# Allegro board AM335x_ICE_3H0013_PCB_REV_2_1A.brd (continued)
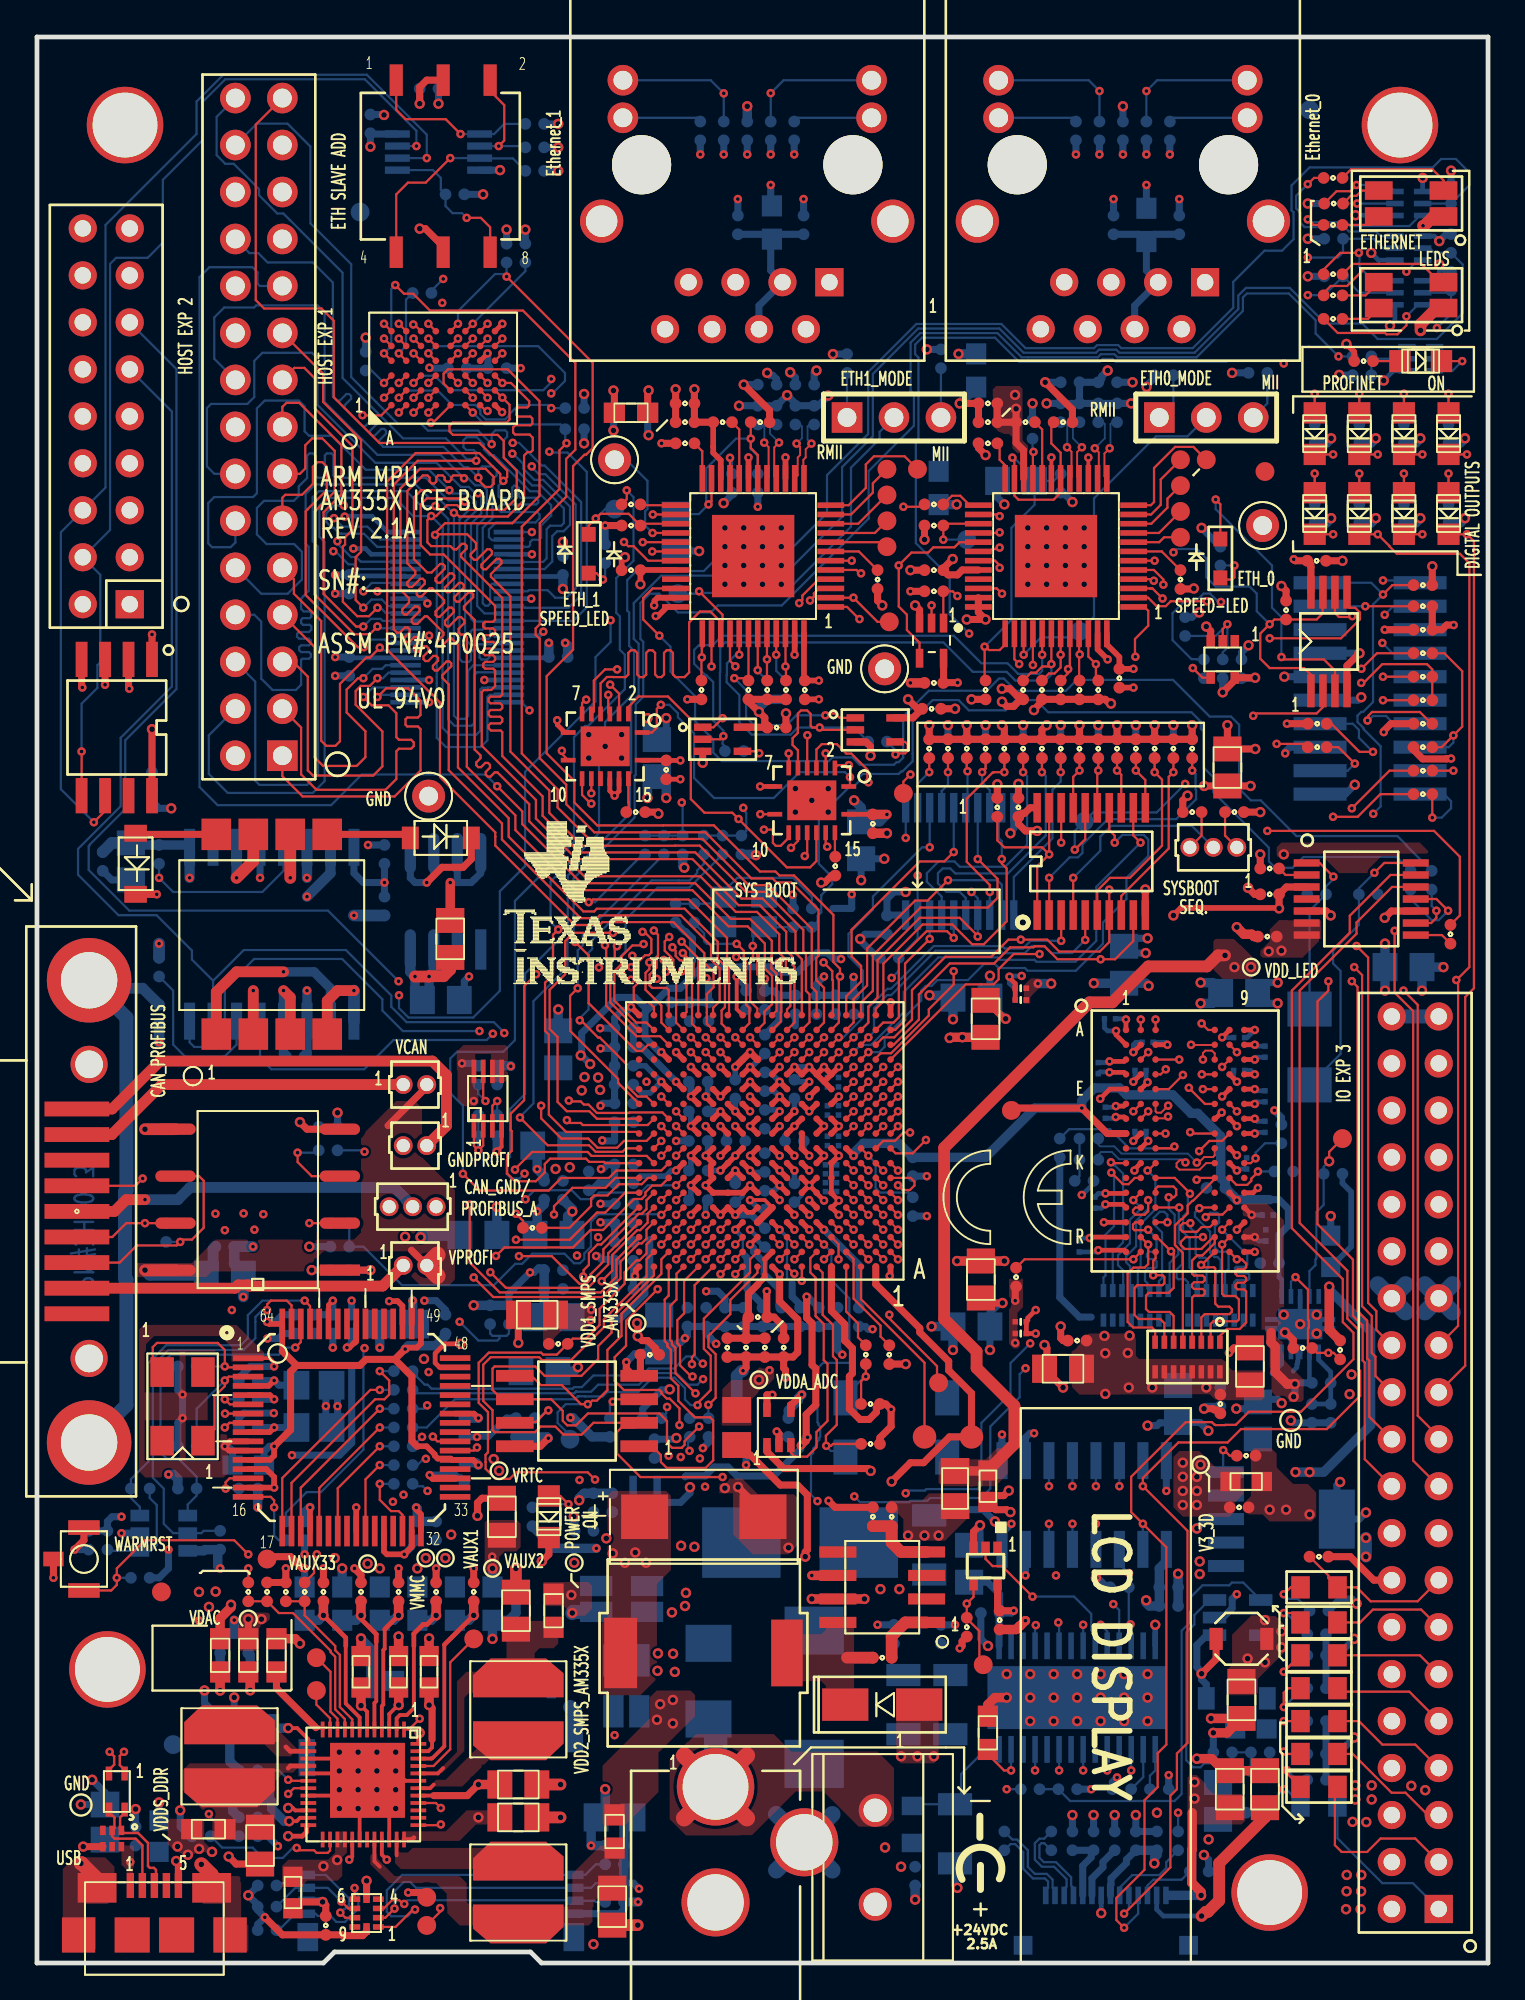
[diagram p0: board, top side]
## Routing (per net, layer and track width the routed paths; a pad name or vN(x,y) marks a point on that pad's centre or on a via; arc(x,y) is an arc through that point) (continued)
  LYR4 w0.127: v1(18.41,68.45) 19.54,68.45 20.69,69.61 20.69,81.49 21.3,82.11 v1(21.3,83.29)
  BOTTOM w0.121: v1(18.41,68.45) 18.53,68.57 U26.2
GPMC_A1: length 37.5
  TOP w0.121: v1(17.65,68.45) 18.1,68 19.01,68 19.44,67.58 19.44,66.28 19.58,66.14 20.24,66.14 20.38,66 20.38,65.8 20.24,65.66 19.58,65.66 19.44,65.52 19.44,64.02 18.86,63.44 15.11,63.44 14.29,64.27 14.29,66.8 J4.3 ; v1(21.17,83.83) U1.D1
  LYR4 w0.127: v1(21.17,83.83) 20.88,83.55 20.88,82.23 20.31,81.65 20.31,81.46 20.31,69.99 19.29,68.98 18.18,68.98 v1(17.65,68.45)
  BOTTOM w0.121: v1(17.65,68.45) 18.17,68.97 U26.3
GPMC_A2: length 36.8
  TOP w0.121: J4.5 13.85,70.36 14.65,69.56 14.65,64.49 14.93,64.21 18.19,64.21 18.68,64.7 18.68,66.59 17.24,68.03 17.24,68.78 17.51,69.05 18,69.05 v1(18.41,69.47) ; v1(20.37,83.83) U1.C1
  LYR4 w0.127: v1(20.37,83.83) 20.37,82.71 19.92,82.26 19.92,71.43 19.72,71.23 19.18,71.23 19.03,71.08 19.03,70.87 19.18,70.72 19.79,70.72 19.9,70.61 19.9,70.2 19.78,70.08 18.54,70.08 18.41,69.96 v1(18.41,69.47)
  BOTTOM w0.121: U26.5 19.02,69.77 18.71,69.47 v1(18.41,69.47)
GPMC_A3: length 36.2
  TOP w0.121: U1.A1 18.62,83.68 17.62,83.68 v1(17.61,83.69) ; J4.7 15.01,71.16 15.01,65.19 15.48,64.73 17.29,64.73 17.76,65.2 17.76,66.6 16.75,67.61 16.75,68.86 17.36,69.47 v1(17.65,69.47)
  LYR4 w0.127: v1(17.61,83.69) 17.4,83.48 17.4,77.35 16.95,76.9 16.94,76.9 16.7,76.65 16.7,76.65 16.61,76.56 16.61,70.51 v1(17.65,69.47)
  BOTTOM w0.121: v1(17.65,69.47) 18.16,69.98 18.67,69.98 18.86,70.17 U26.6
GPMC_A4: length 37.1
  TOP w0.121: v1(19.57,83.83) U1.B1 ; J4.9 13.9,74.81 13.9,74.04 15.37,72.56 15.37,66.09 15.65,65.81 16.14,65.81 16.39,66.06 16.39,69.16 17.81,70.59 18.01,70.59 v1(18.54,71.12)
  LYR4 w0.127: v1(19.57,83.83) 19.54,83.81 19.54,71.97 19.35,71.78 17.35,71.78 17.13,71.55 17.13,70.65 17.43,70.35 18.26,70.35 18.52,70.6 18.52,71.1 v1(18.54,71.12)
  BOTTOM w0.121: v1(18.54,71.12) 18.69,70.97 U26.8
GPMC_A5: length 37.2
  TOP w0.121: v1(17.68,71.15) 17.35,71.15 14.53,73.97 14.53,78.49 14.64,78.6 14.64,78.61 15.68,79.65 15.68,80.9 15.43,81.15 15.17,81.15 14.92,80.9 14.92,79.98 14.33,79.39 13.43,79.39 13.27,79.23 J4.11 ; v1(21.17,84.63) U1.D2
  LYR3 w0.127: v1(21.17,84.63) 20.77,84.23 20.77,82.38 18.84,80.46 18.84,75.67 19.72,74.8 19.72,71.08 19.32,70.68 18.14,70.68 v1(17.68,71.15)
  BOTTOM w0.121: v1(17.68,71.15) 18.09,71.56 18.81,71.56 19,71.37 U26.9
GPMC_A6: length 37.6
  TOP w0.121: J4.13 14.22,80.52 14.51,80.81 14.51,82.06 14.88,82.44 15.43,82.44 16.1,81.76 16.1,79.56 15.01,78.46 15.01,74.01 17.17,71.85 18,71.85 v1(18.41,72.26) ; v1(20.37,84.63) U1.C2
  LYR3 w0.127: v1(20.37,84.63) 19.98,84.24 19.98,82.57 18.46,81.05 18.46,75.52 19.22,74.76 19.22,72.15 18.67,71.6 17.32,71.6 17.19,71.74 17.19,72.52 17.39,72.73 17.95,72.73 v1(18.41,72.26)
  BOTTOM w0.121: v1(18.41,72.26) 18.51,72.17 U26.11
GPMC_A7: length 37
  TOP w0.121: v1(18.77,84.63) U1.A2 ; v1(17.65,72.26) 17.26,72.26 15.5,74.02 15.5,78.45 16.47,79.41 16.47,82.08 14.19,84.35 13.49,84.35 13.27,84.14 J4.15
  LYR4 w0.127: v1(18.77,84.63) 18.2,85.2 18.2,85.95 18.39,86.14 19.06,86.14 19.18,86.03 19.18,84.11 19.03,83.95 19.03,73.19 18.64,72.8 18.28,72.8 17.75,72.26 v1(17.65,72.26)
  BOTTOM w0.121: v1(17.65,72.26) 18.07,72.68 18.59,72.68 18.7,72.57 U26.12
GPMC_A8: length 37.7
  TOP w0.121: J4.17 13.92,86.25 14.46,86.25 15.03,85.68 15.03,84.06 17.06,82.02 17.06,77.49 16.67,77.09 16.67,76.7 16.55,76.58 16.55,73.6 17.32,72.82 17.96,72.82 v1(18.41,73.28) ; U1.B5 v1(19.57,87.83)
  LYR3 w0.127: v1(19.57,87.83) 19.98,87.43 20.53,87.43 20.76,87.2 20.76,86.39 20.59,86.22 19.3,86.22 19.18,86.09 19.18,82.85 18.06,81.73 18.06,75.36 18.83,74.59 18.83,73.7 v1(18.41,73.28)
  BOTTOM w0.121: v1(18.41,73.28) 18.58,73.28 18.85,73.01 19.9,73.01 U26.13
GPMC_A9: length 37.3
  TOP w0.121: v1(17.65,73.28) 17.24,73.7 17.24,76.01 17.53,76.31 17.53,82.36 15.48,84.41 15.48,85.93 J4.19 ; U1.A5 v1(18.77,87.83)
  LYR4 w0.127: v1(17.65,73.28) 17.23,73.7 17.23,74.84 17.86,75.47 17.86,83.19 18.03,83.35 18.03,83.87 17.68,84.21 17.18,84.21 16.86,84.53 16.86,86.92 17.32,87.38 18.32,87.38 v1(18.77,87.83)
  BOTTOM w0.121: U26.14 19,73.37 18.65,73.72 18.1,73.72 v1(17.65,73.28)
GPMC_A10: length 20.3
  TOP w0.121: U1.C5 v1(20.37,87.83)
  LYR3 w0.127: v1(18.41,74.17) 18,73.75 17.18,73.75 16.8,74.13 16.8,74.87 17.62,75.68 17.62,82.15 18.32,82.85 18.32,85.86 19.16,86.71 19.16,87.98 19.41,88.23 19.98,88.23 v1(20.37,87.83)
  BOTTOM w0.121: U26.16 18.42,74.17 v1(18.41,74.17)
GPMC_A11: length 20.4
  TOP w0.121: U1.D5 v1(21.17,87.83)
  LYR4 w0.127: v1(21.17,87.83) 20.76,87.43 20.76,86.83 20.57,86.64 18.2,86.64 17.65,86.08 17.65,85.12 18.64,84.12 18.64,75.17 17.65,74.18 v1(17.65,74.17)
  BOTTOM w0.121: U26.17 19.91,74.6 19.79,74.6 19.77,74.62 18.1,74.62 v1(17.65,74.17)
GPMC_A12: length 20.6
  TOP w0.121: U1.B6 v1(19.57,88.63)
  LYR4 w0.127: v1(16.03,76.33) 15.99,76.33 15.64,76.68 15.64,86.67 18.16,89.19 19.02,89.19 v1(19.57,88.63)
  BOTTOM w0.121: U26.19 17.38,75.37 17.13,75.63 16.85,75.63 16.14,76.33 v1(16.03,76.33)
GPMC_A13: length 20
  TOP w0.121: U1.A6 v1(18.77,88.63)
  LYR3 w0.127: v1(16.25,76.88) 17.09,77.71 17.09,84.31 17.24,84.46 17.72,84.46 17.86,84.61 17.86,84.82 17.72,84.97 17.24,84.97 17.09,85.12 17.09,85.33 17.24,85.48 17.72,85.48 17.86,85.63 17.86,85.84 17.72,85.99 17.24,85.99 17.09,86.13 17.09,86.56 18.22,87.7 18.22,88.09 v1(18.77,88.63)
  BOTTOM w0.121: v1(16.25,76.88) 16.25,76.87 16.25,76.75 16.98,76.02 17.26,76.02 17.51,75.77 U26.20
GPMC_A14: length 20.2
  TOP w0.121: U1.C6 20.41,88.59 v1(20.36,88.59)
  LYR3 w0.127: v1(16.6,78.8) 16.6,87.37 18.27,89.04 19.91,89.04 v1(20.36,88.59)
  BOTTOM w0.121: v1(16.6,78.8) 16.06,78.8 15.65,78.39 15.65,77.92 15.96,77.61 16.05,77.61 16.37,77.29 16.46,77.29 16.46,77.28 17.69,77.28 18.4,76.57 U26.22
GPMC_A15: length 20.6
  TOP w0.121: U1.D6 v1(21.17,88.63)
  LYR3 w0.127: v1(16.07,78.12) 15.89,78.3 15.89,87.23 18.08,89.42 20.39,89.42 v1(21.17,88.63)
  BOTTOM w0.121: U26.23 18.57,76.97 17.87,77.66 16.52,77.66 v1(16.07,78.12)
GPMC_AD0: length 113.5
  TOP w0.121: U14.U7 41.79,50.87 41.79,52.38 41.59,52.57 41.59,54.56 41.45,54.71 41.45,55.86 39.39,57.92 38.34,57.92 36.14,60.12 36.14,60.12 35.85,60.42 34.52,60.42 34.52,60.41 29.48,60.41 27.71,62.18 27.71,63.4 25.61,65.5 25.61,73.9 24.55,74.95 24.55,75.1 25.12,75.67 25.12,75.82 25.01,75.93 24.87,75.93 24.3,75.36 24.15,75.36 24.04,75.47 24.04,75.62 24.61,76.18 24.61,76.33 24.5,76.44 24.35,76.44 23.79,75.87 23.64,75.87 23.46,76.05 23.46,76.18 23.75,76.47 23.75,76.77 23.27,77.25 21.57,77.25 v1(21.53,77.22) 21.53,77.31 22.07,77.85 25.71,77.85 27.18,79.32 27.18,84.45 25.46,86.17 22.23,86.17 21.99,85.94 21.99,85.41 U1.E2
  LYR4 w0.127: v1(21.53,77.22) 21.53,76.88 21.93,76.48 24.67,76.48 24.92,76.24 24.92,65.7 23.99,64.77 20.06,64.77 19.17,63.87 19.17,62.93 18.46,62.22 12.81,62.22 11.96,63.07 11.96,64.05 J4.2
  BOTTOM w0.121: U26.47 24.49,68.57 24.36,68.45 24.36,66.11 24,65.75 22.12,65.75 21.62,66.25 21.62,68 21.63,68 21.63,68.34 21.62,68.35 21.62,69.2 21.63,69.2 21.63,69.54 21.62,69.55 21.62,71.6 21.63,71.6 21.63,71.94 21.62,71.95 21.62,77.13 v1(21.53,77.22)
GPMC_AD1: length 113
  TOP w0.121: U14.V7 41.37,54.27 41.03,54.62 41.03,55.77 39.24,57.56 38.1,57.56 35.6,60.05 34.67,60.05 34.67,60.05 29.33,60.05 27.35,62.03 27.35,63.08 25.17,65.26 25.17,66.56 25.08,66.64 24.56,66.64 24.43,66.77 24.43,66.92 24.53,67.03 25.06,67.03 25.17,67.13 25.17,67.28 25.06,67.39 24.53,67.39 24.43,67.49 24.43,67.64 24.53,67.75 25.06,67.75 25.17,67.86 25.17,68.01 25.06,68.11 24.53,68.11 24.43,68.22 24.43,68.37 24.53,68.47 25.06,68.47 25.17,68.58 25.17,73.81 22.94,76.03 22.94,76.18 23.24,76.48 23.24,76.63 23.13,76.73 22.98,76.73 22.69,76.44 22.54,76.44 22.36,76.61 21.32,76.61 21.12,76.82 21.12,78.02 21.32,78.23 v1(21.32,78.24) 21.59,78.24 22.18,78.83 22.72,78.83 22.82,78.73 22.83,78.73 22.99,78.57 25.3,78.57 25.95,79.23 25.95,80.69 25.25,81.39 25.25,82.3 24.92,82.63 22.5,82.63 22.31,82.82 22.31,83.11 22.49,83.29 25.4,83.29 25.56,83.46 25.56,84.25 v1(25.17,84.64) 25.16,84.64 U1.H2
  BOTTOM w0.121: J4.4 9.29,66.38 9.29,64.29 10.32,63.27 14.92,63.27 15.56,63.91 15.56,76.84 15.27,77.12 15.27,78.8 15.7,79.22 19.36,79.22 20.34,78.24 v1(21.32,78.24) 21.95,77.61 21.95,77.39 21.95,77.39 21.95,77.04 21.94,77.03 21.94,66.78 22.31,66.41 23.76,66.41 23.97,66.62 23.97,68.85 24.08,68.95 24.37,68.95 24.38,68.97 U26.46
GPMC_AD2: length 110.5
  TOP w0.121: v1(22.77,85.43) U1.E3 ; v1(40.97,49.25) U14.R8
  LYR3 w0.127: v1(40.97,49.25) 40.57,49.65 39.85,49.65 39.64,49.86 39.64,50.72 38.3,52.06 38.3,55.45 35.55,58.19 33.05,58.19 32.31,58.93 29.57,58.93 25.69,62.81 25.69,63.96 25.31,64.34 25.31,64.86 24.74,65.44 24.74,66.73 24.63,66.84 24.24,66.84 24.12,66.96 24.12,67.11 24.24,67.22 24.63,67.22 24.74,67.34 24.74,67.49 24.63,67.61 24.24,67.61 24.12,67.72 24.12,67.88 24.24,67.99 24.63,67.99 24.74,68.1 24.74,70.66 24.63,70.77 24.21,70.77 24.1,70.88 24.1,71.04 24.21,71.15 24.63,71.15 24.74,71.26 24.74,74.94 21.75,77.92 21.75,78.57 v1(21.54,78.78)
  LYR4 w0.127: v1(22.77,85.43) 22.84,85.5 22.84,86.49 22.71,86.61 22.32,86.61 22.12,86.42 22.12,80.41 22.78,79.75 22.78,79.52 22.65,79.39 22.65,78.91 23.48,78.08 23.48,77.64 23.13,77.3 22.15,77.3 21.9,77.55 21.9,78.42 v1(21.54,78.78)
  BOTTOM w0.121: U26.44 25.51,69.79 23.8,69.79 23.65,69.64 23.65,67.04 23.51,66.9 22.59,66.9 22.24,67.24 22.24,76.91 22.25,76.92 22.25,77.51 22.25,77.51 22.25,78.07 v1(21.54,78.78) 20.79,78.78 19.98,79.58 15.25,79.58 14.91,79.25 14.91,76.87 15.2,76.58 15.2,64.29 14.61,63.7 12.03,63.7 11.8,63.93 11.8,69.29 J4.6
GPMC_AD3: length 109
  TOP w0.121: v1(22.55,78.41) 22.63,78.41 22.67,78.37 22.68,78.37 22.84,78.21 25.47,78.21 26.35,79.09 26.35,81.51 26.54,81.7 26.72,81.7 26.82,81.8 26.82,82.47 26.65,82.64 25.86,82.64 25.75,82.75 25.75,83.03 25.86,83.14 26.69,83.14 26.79,83.24 26.79,83.51 26.69,83.62 26.03,83.62 25.93,83.72 25.93,84 26.03,84.11 26.52,84.11 26.62,84.21 26.62,84.45 25.64,85.43 v1(25.17,85.43) U1.H3 ; v1(40.97,50.05) U14.T8
  LYR3 w0.127: v1(40.97,50.05) 40.97,50.63 38.98,52.63 38.98,54.12 39.52,54.66 39.52,55.68 35.5,59.7 29.88,59.7 26.45,63.12 26.45,64.27 26.32,64.41 26.32,66.37 25.69,67 25.69,70.46 25.8,70.57 26.46,70.57 26.57,70.68 26.57,70.84 26.46,70.95 25.8,70.95 25.69,71.07 25.69,71.22 25.8,71.34 26.46,71.34 26.57,71.45 26.57,71.6 26.46,71.72 25.8,71.72 25.69,71.83 25.69,71.99 25.8,72.1 26.46,72.1 26.55,72.19 26.55,72.27 26.57,72.29 26.57,72.37 26.46,72.48 25.8,72.48 25.69,72.59 25.69,72.75 25.8,72.86 26.46,72.86 26.57,72.97 26.57,73.13 26.46,73.24 25.8,73.24 25.69,73.35 25.69,75.27 v1(22.55,78.41)
  BOTTOM w0.121: U26.43 23.61,70.17 23.32,69.89 23.32,67.43 23.16,67.27 22.73,67.27 22.55,67.45 22.55,76.79 22.55,76.79 22.55,78.41 v1(22.55,78.41) 22.5,78.41 21.72,79.19 21.23,79.19 20.48,79.95 15.04,79.95 14.53,79.44 14.53,76.74 14.69,76.58 14.69,74.19 14.4,73.9 14.4,73.89 14.29,73.77 14.29,73.22 14.43,73.08 14.76,73.08 14.84,73 14.84,72.8 14.76,72.72 14.38,72.72 14.29,72.63 14.29,72.45 14.38,72.35 14.76,72.35 14.84,72.27 14.84,72.1 14.71,71.97 14.17,71.97 14.06,71.86 14.06,71.71 14.17,71.61 14.71,71.61 14.82,71.5 14.82,71.35 14.71,71.25 14.28,71.25 14.18,71.14 14.18,70.99 14.28,70.88 14.71,70.88 14.82,70.78 14.82,70.63 14.71,70.52 14.35,70.52 14.29,70.46 14.29,69.12 14,68.83 12.74,68.83 12.13,69.45 12.13,72.53 11.76,72.9 J4.8
GPMC_AD4: length 103.1
  TOP w0.121: v1(23.13,79.02) 23.06,79.09 22.97,79.09 22.87,79.19 21.72,79.19 21.72,79.19 21.08,79.19 20.75,78.86 20.75,76.67 21.26,76.16 22,76.16 24.78,73.38 24.78,72.63 24.67,72.52 24.24,72.52 24.13,72.41 24.13,72.26 24.24,72.16 24.67,72.16 24.78,72.05 24.78,71.9 24.67,71.8 24.24,71.8 24.13,71.69 24.13,71.54 24.24,71.43 24.67,71.43 24.78,71.33 24.78,71.18 24.67,71.07 24.24,71.07 24.13,70.97 24.13,70.82 24.24,70.71 24.67,70.71 24.78,70.6 24.78,70.45 24.67,70.35 24.24,70.35 24.13,70.24 24.13,70.09 24.24,69.99 24.67,69.99 24.78,69.88 24.78,69.04 24.58,68.84 24.38,68.84 24.37,68.83 24.16,68.83 24.06,68.72 24.06,65.82 26.99,62.89 26.99,61.88 29.18,59.69 34.82,59.69 34.82,59.69 35.45,59.69 37.95,57.19 39.09,57.19 40.53,55.76 40.53,54.75 40.86,54.42 40.86,53.98 40.97,53.86 40.97,50.85 U14.U8 ; U1.H4 v1(25.17,87.03)
  LYR3 w0.127: v1(23.13,79.02) 25.99,79.02 27.56,80.59 27.56,81.25 27.29,81.52 27.29,83.39 26.79,83.9 26.79,84.87 25.17,86.49 v1(25.17,87.03)
  BOTTOM w0.121: J4.10 12.13,74.04 13.56,74.04 14.33,74.81 14.33,76.3 13.91,76.72 12.42,76.72 11.9,77.25 11.9,78.67 12.28,79.06 13.89,79.06 14.16,79.33 14.16,79.84 14.61,80.29 14.61,81.5 14.74,81.62 14.93,81.62 15.07,81.48 15.07,80.41 15.18,80.31 15.49,80.31 15.57,80.39 15.57,81.52 15.68,81.62 15.93,81.62 16.04,81.52 16.04,80.44 16.16,80.31 21.03,80.31 22.24,79.09 22.28,79.09 23.06,79.09 v1(23.13,79.02) 23.1,78.99 23.38,78.72 23.38,78.58 22.86,78.06 22.86,70.51 23.01,70.35 23.36,70.35 23.47,70.46 23.47,70.87 23.6,71 23.81,71 23.94,70.88 23.94,70.59 24.04,70.48 24.35,70.48 24.47,70.61 24.47,70.89 24.56,70.98 25.52,70.98 U26.41
GPMC_AD5: length 97.7
  TOP w0.121: U14.V8 40.57,51.56 40.75,51.74 40.75,53.58 40.51,53.82 40.51,54.25 40.15,54.61 40.15,55.62 38.94,56.83 38.1,56.83 37.8,56.83 35.87,58.76 29.6,58.76 26.62,61.73 26.62,62.66 24.91,64.38 24.76,64.38 24.53,64.15 24.38,64.15 24.27,64.25 24.27,64.4 24.5,64.63 24.5,64.78 24.4,64.89 24.25,64.89 24.02,64.66 23.87,64.66 23.76,64.77 23.76,64.92 23.99,65.15 23.99,65.3 23.67,65.61 23.67,72.62 23.09,73.2 23.09,73.35 23.6,73.85 23.6,74 23.49,74.11 23.34,74.11 22.84,73.61 22.69,73.61 22.58,73.71 22.58,73.86 23.08,74.37 23.08,74.52 22.98,74.62 22.83,74.62 22.33,74.12 22.18,74.12 22.07,74.23 22.07,74.38 22.57,74.88 22.57,75.03 22.47,75.13 22.32,75.13 21.81,74.63 21.66,74.63 21.56,74.74 21.56,74.89 22.06,75.39 22.06,75.54 21.95,75.65 21.8,75.65 21.34,75.19 21.11,75.19 20.39,75.9 20.39,79.25 20.78,79.63 v1(22.3,79.63) ; U1.E4 v1(22.77,87.03)
  LYR4 w0.127: v1(22.3,79.63) 21.73,80.21 21.73,86.76 22,87.03 v1(22.77,87.03)
  BOTTOM w0.121: J4.12 10.73,76.81 10.48,76.55 9.47,76.55 9.26,76.76 9.26,78.94 9.59,79.27 11.69,79.27 11.9,79.47 11.9,84.06 12.32,84.48 14.16,84.48 14.47,84.16 14.47,82.82 14.72,82.58 15.95,82.58 17.78,80.74 21.2,80.74 v1(22.3,79.63) 22.48,79.46 23.28,79.46 23.73,79.01 23.73,78.5 23.16,77.93 23.16,71.58 23.43,71.3 24.55,71.3 24.6,71.35 25.51,71.35 U26.40
GPMC_AD6: length 101.4
  TOP w0.121: U1.H5 v1(25.17,87.83) ; v1(40.17,49.25) U14.R9
  LYR3 w0.127: v1(25.17,87.83) 24.76,87.43 24.76,86.46 25.62,85.61 25.62,84.33 26.91,83.04 26.91,81.36 27.18,81.1 27.18,80.75 25.91,79.47 v1(23.86,79.47) 23.85,79.48 23,79.48 22.73,79.21 21.27,79.21 20.91,78.85 20.91,77.25 23.57,74.59 23.57,70.42 23.46,70.31 23.14,70.31 23.03,70.2 23.03,70.04 23.14,69.93 23.46,69.93 23.57,69.82 23.57,69.66 23.46,69.55 23.14,69.55 23.03,69.44 23.03,69.28 23.14,69.17 23.46,69.17 23.57,69.06 23.57,68.9 23.46,68.79 23.14,68.79 23.03,68.68 23.03,68.52 23.14,68.41 23.46,68.41 23.57,68.29 23.57,68.14 23.46,68.03 23.14,68.03 23.03,67.91 23.03,67.76 23.14,67.64 23.46,67.64 23.57,67.53 23.57,67.37 23.46,67.26 23.14,67.26 23.03,67.15 23.03,66.99 23.14,66.88 23.46,66.88 23.57,66.77 23.57,66.61 23.46,66.5 23.14,66.5 23.03,66.39 23.03,66.23 23.14,66.12 23.46,66.12 23.57,66.01 23.57,64.48 24,64.05 25.07,64.05 25.31,63.8 25.31,63.45 25.07,63.21 25.07,62.89 29.42,58.54 30.33,58.54 31.78,58.54 32.51,57.81 35.05,57.81 37.43,55.43 37.43,52.22 39.12,50.52 39.12,49.81 39.68,49.25 v1(40.17,49.25)
  BOTTOM w0.121: J4.14 9.6,80.52 9.19,80.92 9.19,84.08 9.42,84.3 11.38,84.3 11.75,84.67 11.75,86.62 12.19,87.06 14.87,87.06 15.17,86.77 15.17,84.25 18.3,81.12 21.62,81.12 22.92,79.81 23.36,79.81 23.58,79.59 23.6,79.59 23.72,79.48 23.79,79.48 23.86,79.55 v1(23.86,79.47) 23.86,79.47 24.03,79.3 24.03,78.37 23.47,77.82 23.47,72.69 23.63,72.53 24.11,72.53 24.22,72.42 24.22,72.21 24.1,72.09 23.56,72.09 23.46,71.99 23.46,71.71 23.57,71.6 24.42,71.6 24.51,71.69 24.51,72.09 24.59,72.17 25.52,72.17 U26.38
GPMC_AD7: length 104.5
  TOP w0.121: U1.E5 v1(22.77,87.83) ; v1(40.17,50.05) U14.T9
  LYR3 w0.127: v1(40.17,50.05) 40.17,50.85 38.63,52.4 38.63,54.31 39.14,54.82 39.14,55.35 35.87,58.61 33.49,58.61 32.79,59.31 29.72,59.31 26.07,62.97 26.07,64.12 25.82,64.37 25.82,65.88 25.24,66.47 25.24,75.06 22.13,78.16 22.13,78.59 22.38,78.83 22.73,78.83 22.96,78.6 26.11,78.6 27.94,80.43 27.94,81.49 v1(27.71,81.72)
  LYR4 w0.127: v1(22.77,87.83) 22.77,88.08 23.16,88.47 23.16,88.81 23.53,89.18 25.35,89.18 27.39,87.13 27.39,81.98 27.65,81.72 v1(27.71,81.72) 27.71,83.25 28.3,83.84 28.3,86.73 24.72,90.31 15.93,90.31 14.6,88.98 14.6,85.49 13.69,84.58 12.25,84.58 J4.16
  BOTTOM w0.121: v1(27.71,81.72) 27.76,81.67 28.69,81.67 29.74,80.63 29.74,73.3 29.01,72.57 U26.37
GPMC_AD8: length 94.1
  TOP w0.121: v1(23.57,84.63) U1.F2 ; v1(23.1,80.28) 22.94,80.43 22.52,80.43 22.41,80.33 22.41,80.2 22.31,80.09 22.15,80.09 22.05,80.2 22.05,80.33 21.94,80.43 21.7,80.43 21.6,80.34 21.6,80.11 21.5,80 21.35,80 21.24,80.11 21.24,80.32 21.12,80.43 20.87,80.43 20.03,79.59 20.03,75.68 20.46,75.25 20.46,75.09 20.03,74.66 20.03,74.51 20.14,74.4 20.29,74.4 20.73,74.84 20.87,74.84 20.97,74.74 20.97,74.58 20.54,74.15 20.54,74 20.65,73.89 20.8,73.89 21.24,74.33 21.38,74.33 22.02,73.69 22.02,73.54 21.56,73.08 21.56,72.89 21.66,72.78 21.78,72.78 22.28,73.29 22.43,73.29 22.53,73.18 22.53,73.03 22.07,72.57 22.07,72.38 22.18,72.27 22.29,72.27 22.79,72.77 22.94,72.77 23.12,72.6 23.12,72.45 22.8,72.14 22.8,71.95 22.93,71.83 23.09,71.83 23.25,71.68 23.25,64.68 25.88,62.06 25.88,61.26 29.12,58.01 35.45,58.01 37.41,56.05 38.44,56.05 39.37,55.12 39.37,53.77 39.76,53.37 39.76,51.84 39.35,51.44 39.35,50.83 U14.U10
  LYR4 w0.127: v1(23.57,84.63) 22.96,84.03 22.96,83.33 23.07,83.22 23.5,83.22 23.6,83.12 23.6,81.98 24.36,81.22 24.36,80.89 24.27,80.8 23.26,80.8 23.1,80.64 v1(23.1,80.28)
  BOTTOM w0.121: U26.36 24.21,72.97 23.81,73.37 23.81,77.73 24.33,78.25 24.33,79.66 24.09,79.9 23.7,79.9 23.32,80.28 v1(23.1,80.28) 21.83,81.55 18.41,81.55 15.56,84.4 15.56,89.24 15.17,89.63 11.86,89.63 11.74,89.51 10.13,89.51 9.59,88.98 9.59,86.74 J4.18
GPMC_AD9: length 104.8
  TOP w0.121: v1(24.37,84.63) U1.G2 ; v1(38.57,50.05) U14.T10
  LYR3 w0.127: J4.20 11.8,89.2 11.8,93.97 12.07,94.24 15.32,94.24 15.62,94.54 19.86,94.54 20.23,94.17 20.23,90.25 21.72,88.76 21.72,83.69 22.64,82.76 25.14,82.76 25.7,82.19 v1(25.73,82.19) 25.57,82.03 25.31,82.03 24.93,81.65 22.09,81.65 19.76,79.32 19.76,76.23 20.53,75.46 20.53,65.81 29.67,56.67 34.01,56.67 35.78,54.9 35.78,51.55 36.58,50.76 36.58,49.89 36.81,49.66 38.18,49.66 v1(38.57,50.05)
  LYR4 w0.127: v1(25.73,82.19) 25.73,82.49 25.61,82.61 24.51,82.61 24.37,82.75 24.37,82.93 24.49,83.05 25.65,83.05 25.77,83.17 25.77,83.33 25.64,83.46 24.99,83.46 24.76,83.69 24.76,84.02 24.99,84.25 25.66,84.25 25.81,84.4 25.81,84.63 25.56,84.88 25.56,85.12 25.81,85.37 25.81,85.61 25.52,85.91 24.95,85.91 24.78,85.74 24.78,85.04 v1(24.37,84.63)
  BOTTOM w0.121: v1(25.73,82.19) 26.08,82.19 27.31,80.97 27.46,80.97 29.44,78.99 29.44,73.96 28.75,73.28 26.44,73.28 26.43,73.29 26.35,73.29 26.27,73.37 U26.35
GPMC_AD10: length 101.5
  TOP w0.121: v1(23.57,85.43) U1.F3 ; v1(37.77,50.05) U14.T11
  LYR3 w0.127: v1(23.57,85.43) 23.57,86.41 23.38,86.6 22.87,86.6 22.63,86.36 22.63,85.97 22.77,85.83 22.96,85.83 23.16,85.62 23.16,85.27 22.96,85.06 22.96,83.84 23.36,83.44 25.94,83.44 26.53,82.86 26.53,82.53 26.53,82.53 26.53,81.86 26.53,81.86 26.53,81.16 v1(26.76,80.92) 26.57,80.73 24.89,80.73 24.05,79.89 23.5,79.89 23.46,79.86 22.93,79.86 22.71,80.08 21.6,80.08 20.52,79.01 20.52,76.79 22.38,74.93 22.38,73.58 22.5,73.47 22.99,73.47 23.11,73.36 23.11,73.2 22.99,73.09 22.5,73.09 22.38,72.98 22.38,72.82 22.5,72.71 22.99,72.71 23.11,72.6 23.11,72.44 22.99,72.33 22.5,72.33 22.38,72.21 22.38,72.06 22.5,71.95 22.99,71.95 23.11,71.83 23.11,71.68 22.99,71.56 22.5,71.56 22.38,71.45 22.38,65.04 29.26,58.16 29.51,58.16 29.51,58.16 30.18,58.16 30.18,58.16 31.25,58.16 31.98,57.43 34.79,57.43 37.05,55.18 37.05,51.77 37.77,51.05 v1(37.77,50.05)
  LYR4 w0.127: J4.22 11.76,91.71 24.25,91.71 25.26,90.7 28.68,87.28 28.68,83.68 28.13,83.13 28.13,81.55 27.84,81.25 27.09,81.25 v1(26.76,80.92)
  BOTTOM w0.121: v1(26.76,80.92) 26.72,80.92 27.14,80.5 27.5,80.5 29.13,78.87 29.13,74.32 28.64,73.82 28.03,73.82 27.62,74.23 26.6,74.23 26.54,74.17 U26.33
GPMC_AD11: length 97
  TOP w0.121: U14.U12 37.03,50.79 37.03,51.5 37.21,51.68 37.21,53.92 36.82,54.3 36.82,55.22 35.03,57.01 30.28,57.01 30.14,56.86 29.55,56.86 25.51,60.9 25.51,61.9 22.77,64.65 22.77,71.28 22.44,71.6 22.28,71.6 21.85,71.17 21.7,71.17 21.59,71.27 21.59,71.4 21.98,71.8 21.98,71.94 21.11,72.81 20.98,72.81 20.57,72.4 20.38,72.4 20.27,72.51 20.27,72.67 20.69,73.09 20.69,73.24 20.59,73.35 20.44,73.35 20,72.92 19.86,72.92 19.76,73.02 19.76,73.2 20.12,73.56 20.12,73.78 19.66,74.25 19.66,79.73 20.72,80.8 24.26,80.8 24.7,80.36 24.7,79.98 24.53,79.81 24.25,79.81 23.87,80.19 v1(23.87,80.31) ; v1(24.37,85.43) U1.G3
  LYR4 w0.127: v1(23.87,80.31) 24.17,80.31 24.27,80.21 24.27,79.72 24.37,79.62 24.66,79.62 24.77,79.73 24.77,81.34 23.98,82.14 23.98,85.04 v1(24.37,85.43)
  BOTTOM w0.121: U26.32 24.61,74.57 24.51,74.48 24.51,73.5 24.39,73.39 24.25,73.39 24.11,73.52 24.11,77.6 24.64,78.12 24.64,80.21 24.86,80.44 24.86,80.72 24.67,80.92 24.09,80.92 23.87,80.7 v1(23.87,80.31) 23.31,80.88 23.09,80.88 22.91,81.06 21.99,81.98 18.73,81.98 18.53,82.19 18.53,82.34 18.88,82.69 18.88,82.84 18.78,82.95 18.63,82.95 18.27,82.59 18.12,82.59 18.01,82.7 18.01,82.85 18.37,83.2 18.37,83.35 18.26,83.46 18.11,83.46 17.76,83.1 17.61,83.1 16.64,84.07 16.64,84.22 16.99,84.58 16.99,84.73 16.88,84.83 16.73,84.83 16.38,84.48 16.23,84.48 16,84.71 16,90.86 14.92,91.95 12.48,91.95 11.97,92.45 11.5,92.45 J4.24
GPMC_AD12: length 98.4
  TOP w0.121: U1.F4 v1(23.57,87.03) ; v1(36.97,50.05) U14.T12
  LYR3 w0.127: v1(36.97,50.05) 36.97,51.22 36.6,51.59 36.6,54.78 34.32,57.05 31.39,57.05 30.66,57.78 30.02,57.78 29.67,57.78 29.67,57.78 29.1,57.78 21.73,65.15 21.73,66.39 21.62,66.5 21.1,66.5 20.99,66.61 20.99,66.77 21.1,66.88 21.62,66.88 21.73,66.99 21.73,67.15 21.62,67.26 21.1,67.26 20.99,67.37 20.99,67.53 21.1,67.64 21.62,67.64 21.73,67.75 21.73,70.55 21.62,70.66 21.05,70.66 20.94,70.77 20.94,70.93 21.05,71.04 21.62,71.04 21.73,71.15 21.73,72.46 21.62,72.57 21.11,72.57 21,72.68 21,72.84 21.11,72.95 21.62,72.95 21.73,73.06 21.73,74.15 21.62,74.26 21.05,74.26 20.94,74.38 20.94,74.53 21.05,74.65 21.62,74.65 21.73,74.76 21.73,75.01 20.14,76.6 20.14,79.16 21.71,80.74 23.86,80.74 24.31,81.19 25.29,81.19 25.68,81.58 25.68,81.58 25.71,81.58 v1(25.71,81.61) 25.74,81.61 26.15,82.02 26.15,82.37 25.38,83.14 23.1,83.14 22.18,84.06 22.18,88.9 21.2,89.88 21.2,89.95 21.17,89.97 21.17,94.14 20.07,95.24 14.6,95.24 13.98,94.62 12.02,94.62 10.88,95.76 J4.26
  LYR4 w0.127: v1(23.57,87.03) 24.02,86.59 25.21,86.59 26.15,85.65 26.15,82.01 25.75,81.61 v1(25.71,81.61)
  BOTTOM w0.121: U26.30 27.46,75.37 27.87,75.78 27.87,77.15 28.13,77.41 28.48,77.41 28.83,77.76 28.83,78.74 27.38,80.19 26.9,80.19 26.3,80.8 26.3,81.06 25.75,81.61 v1(25.71,81.61)
GPMC_AD13: length 101.1
  TOP w0.121: v1(36.97,49.25) U14.R12 ; U1.G5 v1(24.37,87.83)
  LYR3 w0.127: v1(36.97,49.25) 36.79,49.43 36.71,49.43 36.48,49.66 36.01,49.66 35.76,49.9 35.76,50.21 35.33,50.65 35.33,53.76 35.06,54.03 34.67,54.03 34.07,54.63 32.69,54.63 32.13,55.19 32.13,55.59 31.45,56.26 29.32,56.26 24.3,61.28 22.8,61.28 22.68,61.4 22.68,61.83 22.57,61.94 22.42,61.94 22.3,61.83 22.3,61.39 22.2,61.28 21.08,61.28 20.1,62.26 20.1,75.3 19.38,76.02 19.38,79.58 21.92,82.13 v1(24.59,82.13)
  LYR4 w0.127: v1(24.59,82.13) 24.59,82.07 25.47,81.19 25.9,81.19 26.63,81.92 26.63,86.36 25.57,87.43 24.78,87.43 v1(24.37,87.83)
  BOTTOM w0.121: U26.29 25.54,75.75 27.37,75.75 27.57,75.95 27.57,77.53 27.75,77.71 28.36,77.71 28.5,77.85 28.5,78.65 27.25,79.89 26.78,79.89 25.25,81.42 25.25,82.35 25.43,82.53 25.43,82.77 25.33,82.87 24.8,82.87 24.59,82.67 v1(24.59,82.13) 23.86,82.86 21.15,82.86 20.76,83.25 19.5,83.25 19.15,83.6 19.14,83.6 18.35,84.4 18.35,84.4 17.99,84.76 17.98,84.76 17,85.75 17,91.86 14.79,94.07 14.79,98.22 13.55,99.46 11.89,99.46 J4.28
GPMC_AD14: length 99.9
  TOP w0.121: v1(23.76,81.23) 20.59,81.23 19.3,79.93 19.3,72.11 19.47,71.93 19.62,71.93 19.9,72.21 20.05,72.21 20.16,72.11 20.16,71.96 19.88,71.68 19.88,71.53 19.99,71.42 20.14,71.42 20.41,71.7 20.56,71.7 20.67,71.59 20.67,71.44 20.39,71.17 20.39,71.02 20.5,70.91 20.65,70.91 20.93,71.19 21.08,71.19 21.18,71.08 21.18,70.93 20.9,70.65 20.9,70.5 21.01,70.4 21.16,70.4 21.44,70.68 21.59,70.68 21.69,70.57 21.69,70.42 21.42,70.14 21.42,69.99 21.52,69.89 21.67,69.89 22.16,70.38 22.31,70.38 22.41,70.27 22.41,70.12 21.93,69.64 21.93,69.48 22.27,69.13 22.27,64.5 25.15,61.62 25.15,60.75 29.4,56.5 30.29,56.5 30.43,56.64 34.82,56.64 36.46,55.01 36.46,54.25 36.92,53.78 36.92,52.01 36.57,51.65 U14.V13 ; U1.F5 v1(23.57,87.83)
  LYR4 w0.127: v1(23.76,81.23) 22.68,81.23 22.5,81.4 22.5,82.2 22.62,82.32 23.1,82.32 23.21,82.43 23.21,82.58 23.1,82.7 22.62,82.7 22.5,82.81 22.5,84.25 23.16,84.91 23.16,87.43 v1(23.57,87.83)
  BOTTOM w0.121: U26.27 26.58,76.57 26.68,76.66 26.68,76.83 26.8,76.95 27.16,76.95 27.27,77.06 27.27,77.72 27.81,78.27 27.81,78.83 27.06,79.58 26.66,79.58 24.72,81.53 24.49,81.53 24.18,81.84 24.18,82.11 23.79,82.5 23.23,82.5 23.07,82.33 23.07,81.96 23.22,81.81 23.61,81.81 23.76,81.67 v1(23.76,81.23) 23.71,81.18 23.58,81.31 23.54,81.31 23.54,81.32 23.24,81.32 22.54,82.01 22.12,82.44 19.8,82.44 17.84,84.4 17.83,84.4 16.53,85.7 16.53,91.39 14.29,93.64 14.29,93.64 13.69,94.23 13.69,94.23 13.33,94.59 13,94.59 12.01,95.59 12.01,95.92 10.64,97.28 10.18,97.28 9.72,97.75 9.72,99.82 J4.30
